# Altium PCB TK2560_PCB.PcbDoc (part 3 of 3)
Units mm, origin at the board's own origin, x right, y up, seen from the top; angles counter-clockwise.
Board outline 200 x 141.45 mm, 2 copper layers (L1, L2); 167 components, 176 nets, 683 pads, 232 vias.
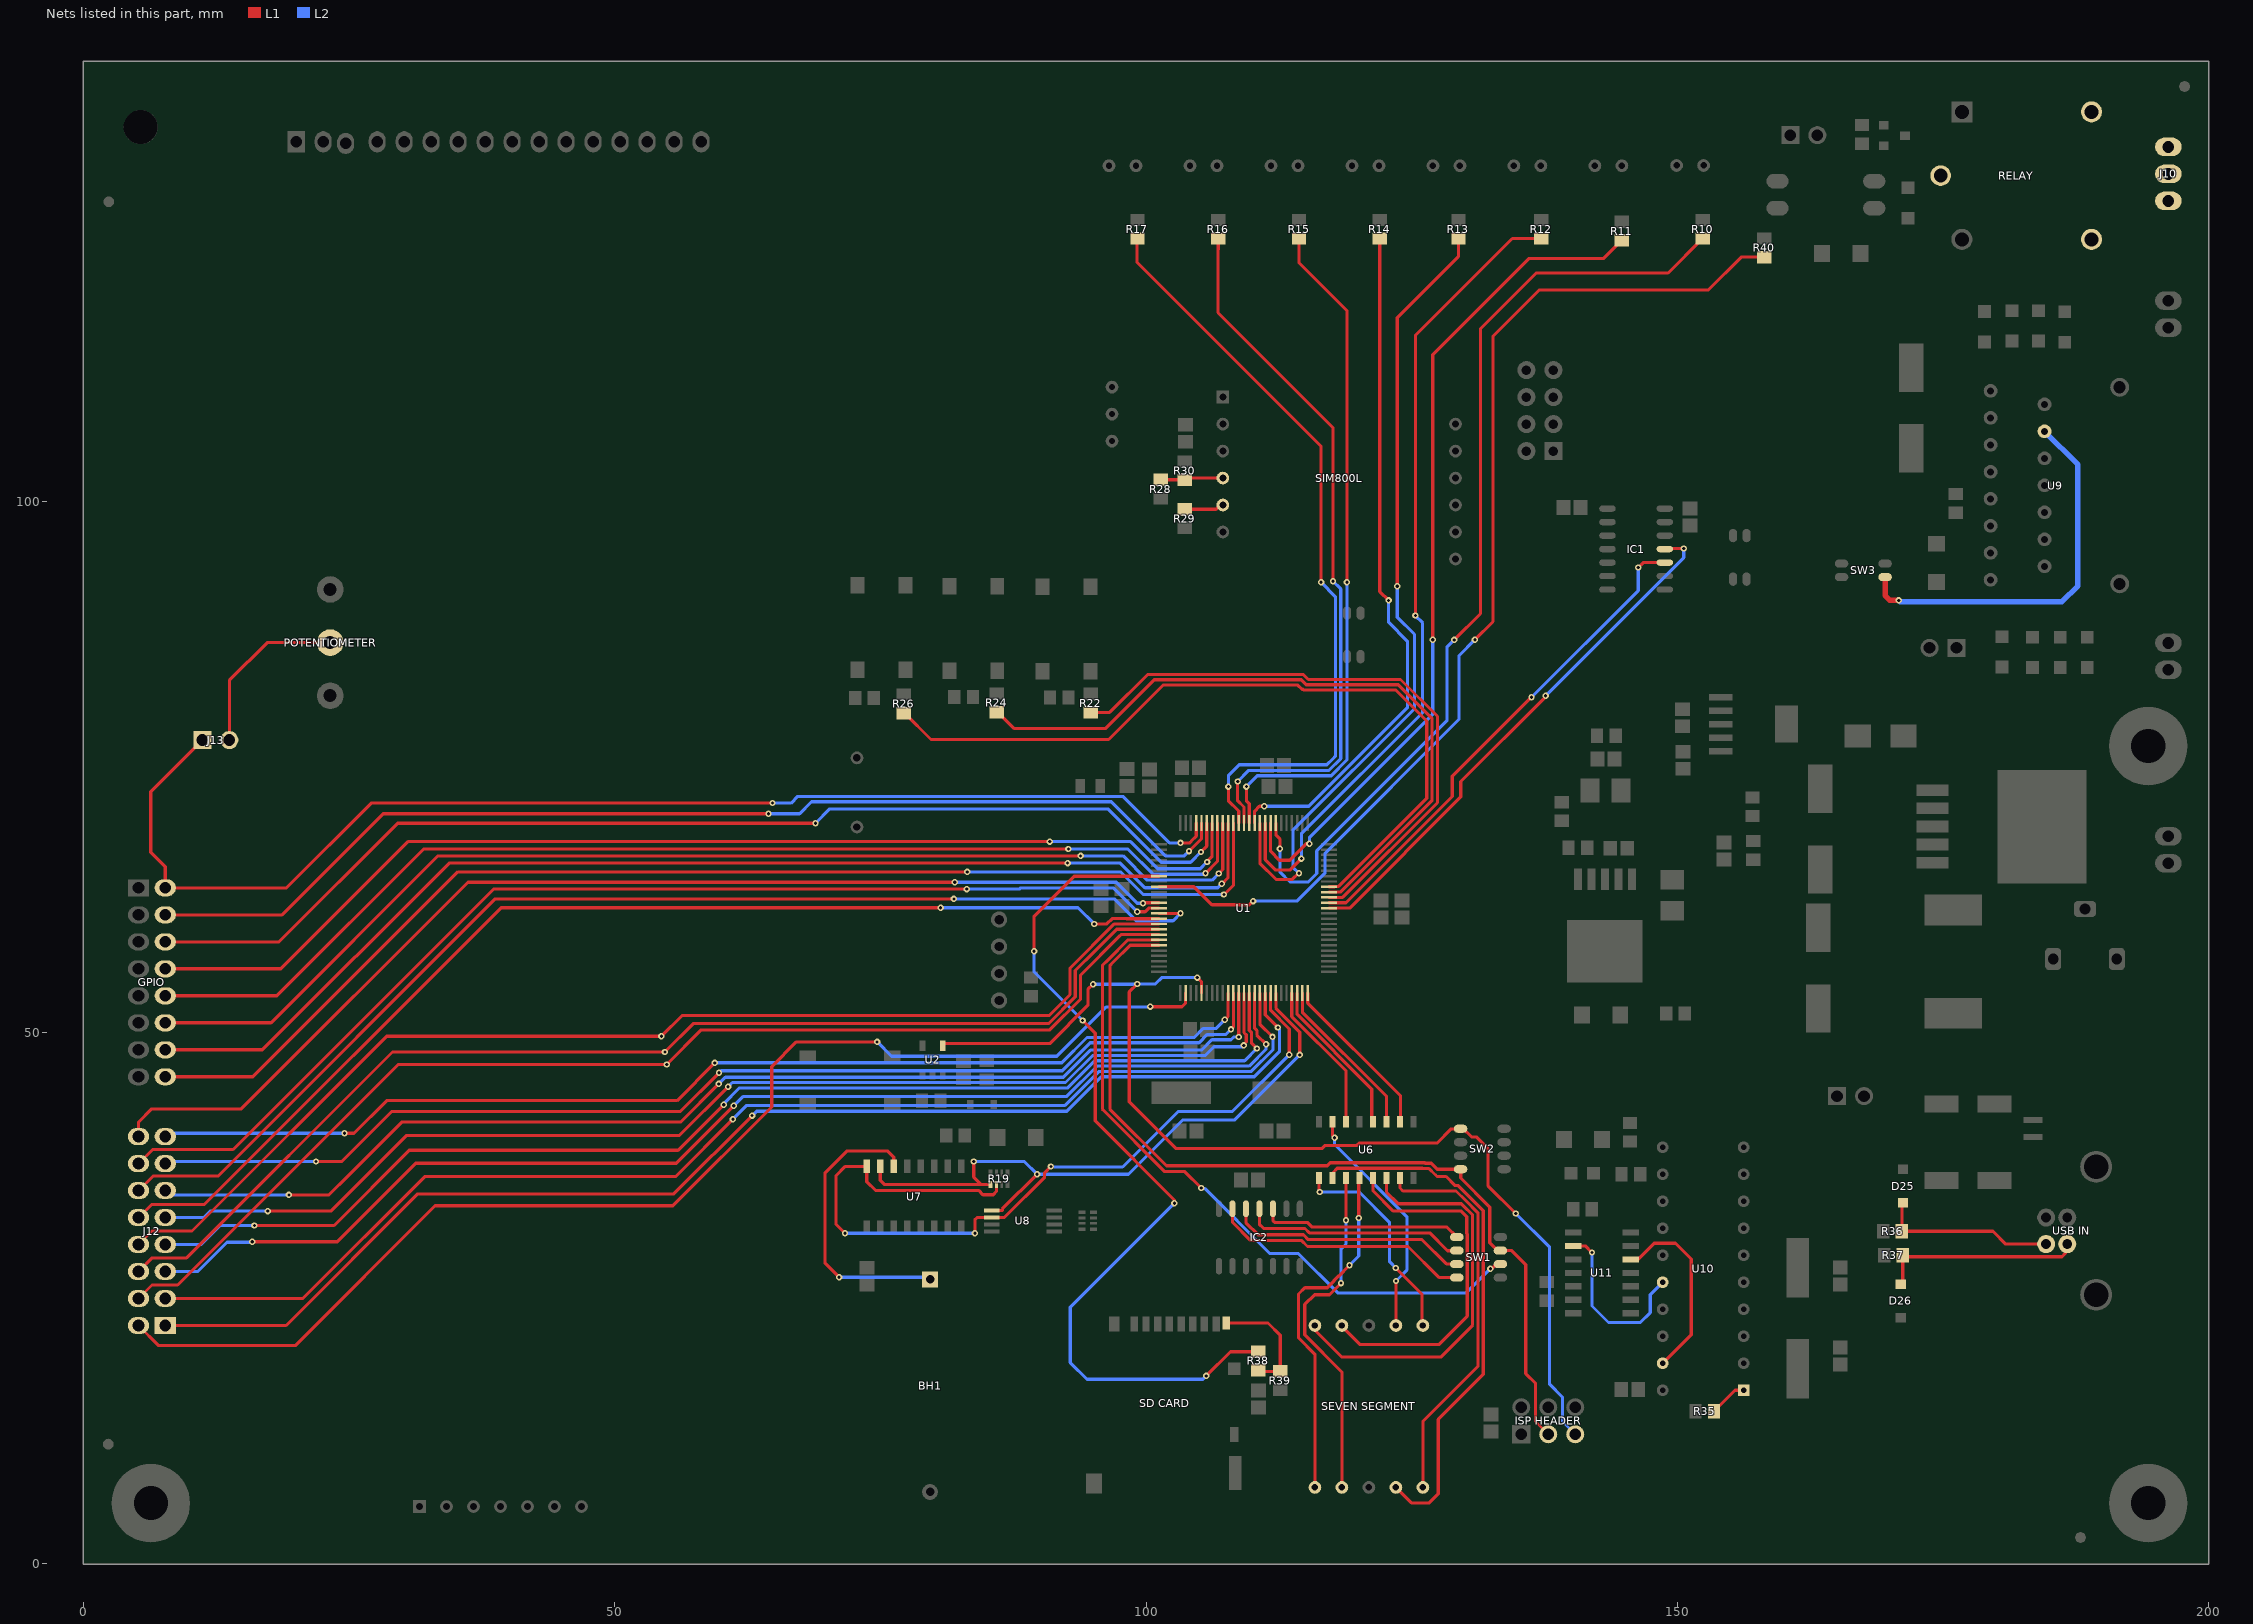
[diagram p3: the nets of this part, all layers, seen from the top]

## Via types
v1: diameter 0.6, hole 0.3, L1 to L2, 218 vias
v2: diameter 0.6, hole 0.3, L1 to L2, tented both sides, 14 vias

## Nets (pads, with @x,y where several pads share a name; then routed paths per layer and width w, separated by ;. In a path a pad name is that pad's centre, name@x,y a point inside that pad or via, vN(x,y) a via of type N, cw(c..) or ccw(c..) an arc to the next point about the centre after c; other vN are vias at no path point) (continued)
NetR35_1: R35.1 U10.1 | length 3.6
  L1 w0.3: R35.1@153.45,14.38 155.42,16.35 U10.1@156.235,16.35
NetR38_1: "SD CARD.9" R38.1 R39.1 | length 11
  L1 w0.3: 107.55,22.67 111.48,22.67 112.625,21.525 R39.1@112.625,18.125 110.675,18.125 R38.1@110.575,18.225
"NetSEVEN SEGMENT_1": "SEVEN SEGMENT.1" U6.4 | length 33.4
  L1 w0.3: 115.895,7.205 115.895,19.73 114.35,21.275 114.35,25.4 114.95,26 117.05,26 117.7,26.65 117.7,26.694 118.081,27.075 118.125,27.075 v1(119.15,28.1) ; v1(120.025,32.55) 120.025,36.27 U6.4@120.09,36.335
  L2 w0.3: v1(119.15,28.1) 120.025,28.975 v1(120.025,32.55)
"NetSEVEN SEGMENT_2": "SEVEN SEGMENT.2" U6.3 | length 33.2
  L1 w0.3: v1(118.35,26.425) 117.263,25.338 115.862,25.338 114.945,24.42 114.945,21.55 118.435,18.06 118.435,7.205 ; U6.3@118.82,36.335 118.675,36.19 118.875,35.99 118.825,35.94 v1(118.825,32.35)
  L2 w0.3: v1(118.35,26.425) 118.338,26.437 118.338,29.613 118.825,30.1 v1(118.825,32.35)
"NetSEVEN SEGMENT_4": "SEVEN SEGMENT.4" U6.2 | length 49.8
  L1 w0.3: U6.2@117.55,36.335 117.55,36.79 118.005,37.245 126.022,37.245 126.067,37.2 126.643,37.2 127.198,36.645 127.199,36.645 127.385,36.46 128.24,36.46 129.1,35.6 129.382,35.6 131.735,33.247 131.735,17.835 127.5,13.6 127.5,6.6 126.65,5.75 124.97,5.75 123.515,7.205
"NetSEVEN SEGMENT_5": "SEVEN SEGMENT.5" U6.7 | length 37.2
  L1 w0.3: U6.7@123.9,36.335 123.9,35.375 124.175,35.1 129.175,35.1 130.075,34.2 131.235,33.04 131.235,18.585 126.055,13.405 126.055,7.205
"NetSEVEN SEGMENT_6": "SEVEN SEGMENT.6" U6.1 | length 20.1
  L1 w0.3: U6.1@116.28,36.335 116.28,35.07 v1(116.35,35) ; v1(123.5,27.85) 125.975,25.375 125.975,22.525 126.055,22.445
  L2 w0.3: v1(116.35,35) 120.05,35 122.925,32.125 122.925,28.425 v1(123.5,27.85)
"NetSEVEN SEGMENT_7": "SEVEN SEGMENT.7" U6.15 | length 24
  L1 w0.3: U6.15@117.55,41.615 117.55,40.3 v1(117.75,40.1) ; v1(123.525,26.625) 123.525,23.9 ; 123.525,23.9 123.515,23.89 123.515,22.445 123.525,22.455 123.525,23.9
  L2 w0.3: v1(117.75,40.1) 117.75,39.475 124.55,32.675 124.55,27.65 v1(123.525,26.625)
"NetSEVEN SEGMENT_9": "SEVEN SEGMENT.9" U6.5 | length 34.1
  L1 w0.3: 118.435,22.445 118.435,22.365 120.163,20.637 127.547,20.637 130.235,23.325 130.235,31.057 130.175,31.117 130.175,32.686 129.661,33.2 123.275,33.2 121.36,35.115 U6.5@121.36,36.335
"NetSEVEN SEGMENT_10": "SEVEN SEGMENT.10" U6.6 | length 38.3
  L1 w0.3: 115.895,22.445 115.895,22.017 118.444,19.469 127.729,19.469 130.735,22.475 130.735,32.833 129.868,33.7 129.668,33.9 123.725,33.9 122.63,34.995 U6.6@122.63,36.335
NetSW3_3: SW3.3 U9.4 | length 36.6
  L1 w0.5: SW3.3@169.55,92.865 169.55,91.125 170,90.675 v1(170.825,90.675)
  L2 w0.5: v1(170.825,90.675) 170.95,90.55 186.2,90.55 187.681,92.031 187.681,103.456 U9.4@184.556,106.58
PORTF.PF0: GPIO.16 J13.1 U1.97 | length 120.4
  L1 w0.3: J13.1@11.205,77.525 6.35,72.67 6.35,66.975 7.715,65.61 GPIO.16@7.715,63.62 19.12,63.62 27.1,71.6 v1(64.85,71.6) ; v1(103.25,67.85) 104.118,67.85 104.284,68.016 104.284,68.059 104.72,68.495 U1.97@104.72,69.72
  L2 w0.3: v1(64.85,71.6) 66.6,71.6 67.225,72.225 97.825,72.225 102.2,67.85 v1(103.25,67.85)
PORTF.PF1: GPIO.15 U1.96 | length 106.2
  L1 w0.3: GPIO.15@7.715,61.08 18.705,61.08 28.225,70.6 v1(64.475,70.6) ; v1(104.05,67.075) 105.22,68.245 U1.96@105.22,69.72
  L2 w0.3: v1(64.475,70.6) 67.4,70.6 68.525,71.725 96.725,71.725 101.825,66.625 103.6,66.625 v1(104.05,67.075)
PORTF.PF2: GPIO.14 U1.95 | length 108.1
  L1 w0.3: GPIO.14@7.715,58.54 18.415,58.54 29.575,69.7 v1(68.9,69.7) ; v1(105.175,67) 105.72,67.545 U1.95@105.72,69.72
  L2 w0.3: v1(68.9,69.7) 70.25,71.05 96.4,71.05 101.425,66.025 104.2,66.025 v1(105.175,67)
PORTF.PF3: GPIO.13 U1.94 | length 108.2
  L1 w0.3: GPIO.13@7.715,56 18.575,56 30.55,67.975 v1(90.95,67.975) ; v1(105.75,66.05) 105.75,66.131 106.22,66.601 U1.94@106.22,69.72
  L2 w0.3: v1(90.95,67.975) 98.55,67.975 101.1,65.425 105.106,65.425 105.731,66.05 v1(105.75,66.05)
PORTF.PF4: GPIO.12 U1.93 | length 109.8
  L1 w0.3: GPIO.12@7.715,53.46 18.21,53.46 32.025,67.275 v1(92.7,67.275) ; v1(105.6,65) 105.619,65 106.72,66.101 U1.93@106.72,69.72
  L2 w0.3: v1(92.7,67.275) 98.3,67.275 100.675,64.9 105.5,64.9 v1(105.6,65)
PORTF.PF5: GPIO.11 U1.92 | length 111.7
  L1 w0.3: GPIO.11@7.715,50.92 17.67,50.92 33.375,66.625 v1(93.85,66.625) ; v1(106.85,64.975) 107.22,65.345 U1.92@107.22,69.72
  L2 w0.3: v1(93.85,66.625) 97.85,66.625 100.125,64.35 106.225,64.35 v1(106.85,64.975)
PORTF.PF6: GPIO.10 U1.91 | length 113.8
  L1 w0.3: GPIO.10@7.715,48.38 16.855,48.38 34.425,65.95 v1(92.625,65.95) ; v1(107.125,64) 107.125,63.975 107.72,64.57 U1.91@107.72,69.72
  L2 w0.3: v1(92.625,65.95) 97.575,65.95 99.9,63.625 106.75,63.625 v1(107.125,64)
PORTF.PF7: GPIO.9 U1.90 | length 115.6
  L1 w0.3: GPIO.9@7.715,45.84 15.965,45.84 35.25,65.125 v1(83.175,65.125) ; v1(107.325,63) 107.375,63 108.22,63.845 U1.90@108.22,69.72
  L2 w0.3: v1(83.175,65.125) 97.6,65.125 99.725,63 v1(107.325,63)
PORTH.PH0: J12.9 U1.12 | length 107.6
  L1 w0.3: J12.9@5.2,40.22 5.2,41.575 6.45,42.825 14.875,42.825 36.2,64.15 v1(82,64.15) ; v1(99.715,62.174) 99.761,62.22 U1.12@101.22,62.22
  L2 w0.3: v1(82,64.15) 97.2,64.15 99.176,62.174 v1(99.715,62.174)
PORTH.PH1: J12.10 U1.13 | length 107.8
  L1 w0.3: J12.10@5.2,37.68 6.52,39 14.1,39 38.6,63.5 v1(83.125,63.5) ; v1(99.175,61.375) 99.919,61.375 100.264,61.72 U1.13@101.22,61.72
  L2 w0.3: v1(83.125,63.5) 88.075,63.5 88.175,63.6 96.95,63.6 v1(99.175,61.375)
PORTH.PH2: J12.11 U1.14 | length 112.6
  L1 w0.3: J12.11@5.2,35.14 6.56,36.5 12.675,36.5 38.758,62.583 v1(81.925,62.583) ; U1.14@101.22,61.22 103.245,61.22 v1(103.25,61.225)
  L2 w0.3: v1(81.925,62.583) 97.017,62.583 99.075,60.525 102.55,60.525 v1(103.25,61.225)
PORTH.PH3: J12.12 U1.15 | length 108.9
  L1 w0.3: J12.12@5.2,32.6 6.425,33.825 11.4,33.825 39.325,61.75 v1(80.675,61.75) ; v1(95.125,60.225) 96.317,60.225 96.817,60.725 98.183,60.725 98.188,60.72 U1.15@101.22,60.72
  L2 w0.3: v1(80.675,61.75) 85.712,61.75 85.714,61.752 86.636,61.752 86.638,61.75 93.6,61.75 v1(95.125,60.225)
PORTH.PH4: J12.13 U1.16 | length 110
  L1 w0.3: J12.13@5.2,30.06 6.47,31.33 10.23,31.33 28.55,49.65 v1(54.4,49.65) 56.363,51.613 90.887,51.613 92.85,53.575 92.85,56.051 97.024,60.225 97.976,60.225 97.981,60.22 U1.16@101.22,60.22
PORTH.PH5: J12.14 U1.17 | length 110.8
  L1 w0.3: J12.14@5.2,27.52 6.48,28.8 9.725,28.8 29.1,48.175 v1(54.725,48.175) 57.396,50.846 90.829,50.846 93.35,53.368 93.35,55.844 95.225,57.719 97.231,59.725 97.769,59.725 97.774,59.72 U1.17@101.22,59.72
PORTH.PH6: J12.15 U1.18 | length 111.5
  L1 w0.3: J12.15@5.2,24.98 6.47,26.25 8.875,26.25 29.625,47 v1(54.9,47) 58.155,50.255 90.945,50.255 93.85,53.161 93.85,55.425 97.5,59.075 97.645,59.22 U1.18@101.22,59.22
PORTH.PH7: J12.16 U1.27 | length 117
  L1 w0.3: J12.16@5.2,22.44 7.09,20.55 19.95,20.55 33.1,33.7 55.475,33.7 64.775,43 64.775,46.8 67.1,49.125 v1(74.7,49.125) ; v1(100.4,52.45) 100.415,52.435 103.385,52.435 103.72,52.77 U1.27@103.72,53.72
  L2 w0.3: v1(74.7,49.125) 76.05,47.775 91.6,47.775 96.229,52.404 100.354,52.404 v1(100.4,52.45)
PORTL.PL0: J12.8 U1.35 | length 106.9
  L1 w0.3: v1(24.575,40.525) 25.475,40.525 28.55,43.6 55.875,43.6 v1(59.425,47.15) ; v1(107.417,51.206) 107.72,51.51 U1.35@107.72,53.72
  L2 w0.3: J12.8@7.714,40.22 8.019,40.525 v1(24.575,40.525) ; v1(59.425,47.15) 59.417,47.158 92.066,47.158 94.45,49.542 104.542,49.542 105.4,50.4 106.61,50.4 v1(107.417,51.206)
PORTL.PL1: J12.7 U1.36 | length 109
  L1 w0.3: v1(21.9,37.875) 24.325,37.875 25.45,39 29.025,42.575 56.175,42.575 v1(59.825,46.225) ; v1(108,50.3) 108.22,50.52 U1.36@108.22,53.72
  L2 w0.3: J12.7@7.714,37.68 7.909,37.875 13.725,37.875 v1(21.9,37.875) ; v1(59.825,46.225) 60.008,46.408 92.116,46.408 94.75,49.042 104.992,49.042 105.777,49.827 107.527,49.827 v1(108,50.3)
PORTL.PL2: J12.6 U1.37 | length 111.5
  L1 w0.3: v1(19.35,34.725) 23.125,34.725 24.975,36.575 29.975,41.575 56.2,41.575 v1(59.8,45.175) ; v1(108.72,49.585) U1.37@108.72,53.72
  L2 w0.3: J12.6@7.714,35.14 8.129,34.725 v1(19.35,34.725) ; v1(59.8,45.175) 60.426,45.801 92.217,45.801 94.766,48.35 105.223,48.35 106.2,49.327 107.999,49.327 108.257,49.585 v1(108.72,49.585)
PORTL.PL3: J12.5 U1.38 | length 113.3
  L1 w0.3: v1(17.35,33.2) 23.3,33.2 30.425,40.325 56.1,40.325 v1(60.679,44.904) ; v1(109.2,48.8) 109.2,48.881 109.432,49.114 109.432,49.792 109.22,50.004 U1.38@109.22,53.72
  L2 w0.3: J12.5@7.714,32.6 11.325,32.6 11.925,33.2 v1(17.35,33.2) ; v1(60.679,44.904) 61.076,45.301 92.424,45.301 94.973,47.85 105.573,47.85 106.4,48.677 109.077,48.677 v1(109.2,48.8)
PORTL.PL4: J12.4 U1.39 | length 116
  L1 w0.3: v1(16.1,31.85) 23.6,31.85 30.675,38.925 55.976,38.925 v1(60.263,43.212) ; U1.39@109.72,53.72 109.72,50.211 109.932,49.999 109.932,49 v1(110.43,48.502)
  L2 w0.3: J12.4@7.714,30.06 11.1,30.06 12.89,31.85 v1(16.1,31.85) ; v1(60.263,43.212) 60.212,43.262 61.751,44.801 92.631,44.801 95.18,47.35 109.278,47.35 v1(110.43,48.502)
PORTL.PL5: J12.3 U1.40 | length 118
  L1 w0.3: v1(15.9,30.325) 23.9,30.325 31.275,37.7 55.8,37.7 v1(61.212,43.112) ; U1.40@110.22,53.72 110.22,50.418 110.432,50.206 110.432,49.768 v1(111.3,48.9)
  L2 w0.3: J12.3@7.714,27.52 10.77,27.52 13.525,30.275 v1@15.9,30.275 ; v1(61.212,43.112) 62.073,43.973 92.51,43.973 95.387,46.85 109.697,46.85 111.3,48.453 v1(111.3,48.9)
PORTL.PL6: J12.2 U1.41 | length 119.8
  L1 w0.3: J12.2@7.714,24.98 20.655,24.98 32.125,36.45 55.725,36.45 v1(61.125,41.85) ; U1.41@110.72,53.72 110.72,50.78 v1(111.9,49.6)
  L2 w0.3: v1(61.125,41.85) 62.421,43.146 92.389,43.146 95.594,46.35 109.904,46.35 111.95,48.396 111.95,49.55 v1(111.9,49.6)
PORTL.PL7: J12.1 U1.42 | length 121.6
  L1 w0.3: J12.1@7.714,22.44 19.09,22.44 31.475,34.825 55.575,34.825 v1(62.938,42.188) ; U1.42@111.22,53.72 111.22,51.676 v1(112.41,50.485)
  L2 w0.3: v1(62.938,42.188) 63.358,42.608 92.559,42.608 95.801,45.85 110.2,45.85 112.55,48.2 112.55,50.346 v1(112.41,50.485)
POTENTIOMETER: J13.2 POTENTIOMETER.2 | length 16.6
  L1 w0.3: J13.2@13.745,77.525 13.745,83.145 17.3,86.7 POTENTIOMETER.2@23.237,86.7
RELAY1_TRIG: R40.2 U1.9 | length 103.2
  L1 w0.3: U1.9@101.22,63.72 104.505,63.72 106.2,62.025 109.725,62.025 v1(110.075,62.375) ; v1(130.95,86.975) 132.65,88.675 132.65,115.525 137,119.875 152.9,119.875 155.994,122.969 R40.2@158.172,122.969
  L2 w0.3: v1(110.075,62.375) 114.182,62.375 116.85,65.043 116.85,66.875 129.45,79.475 129.45,85.475 v1(130.95,86.975)
RESET: "ISP HEADER.5" SW2.1 U1.30 U2.4 | length 107.9
  L1 w0.3: U2.4@80.875,48.775 81.062,48.962 90.937,48.962 94.537,52.562 94.537,54.063 v1(95.025,54.55) ; v1(99.175,54.575) 98.429,53.829 98.429,43.479 102.807,39.1 116.577,39.1 116.864,39.388 119.838,39.388 120.05,39.6 127.385,39.6 128.725,40.94 129.585,40.94 SW2.1@129.6,40.955 129.855,40.955 130.625,40.185 131.09,40.185 132.175,39.1 132.175,35.6 v1(134.8,32.975) ; v1(104.825,55.175) 105.22,54.78 U1.30@105.22,53.72
  L2 w0.3: v1(95.025,54.55) 99.15,54.55 v1(99.175,54.575) 100.875,54.575 101.475,55.175 v1(104.825,55.175) ; v1(134.8,32.975) 137.975,29.8 137.975,16.9 139.19,15.685 139.19,13.405 140.39,12.205
RLY_COM: J10.2 RELAY.COM | length 0.2
  L1 w0.5: RELAY.COM@174.772,130.644 RELAY.COM@174.85,130.722 ; J10.2@196.122,130.722 J10.2@196.2,130.8
RLY_NC: J10.1 RELAY.NC
RLY_NO: J10.3 RELAY.NO
RST': U10.16 U11.2 | length 17
  L1 w0.3: U11.2@140.2,29.925 141.35,29.925 v1(141.971,29.304)
  L2 w0.3: v1(141.971,29.304) 141.971,24.279 143.525,22.725 146.525,22.725 147.45,23.65 147.45,25.345 U10.16@148.615,26.51 U10.16@148.715,26.41
RTC_SCL: R19.2 U1.43 U7.16 U8.6 | length 79.9
  L1 w0.3: v1(71.675,31.125) 70.825,31.975 70.825,36.525 71.71,37.41 U7.16@73.73,37.41 73.73,35.97 74.55,35.15 84.25,35.15 84.65,34.75 85.625,34.75 85.925,35.05 R19.2@85.925,35.7 ; v1(83.9,31.125) 83.9,32.4 84.102,32.603 U8.6@85.475,32.603 86.677,32.603 90.462,36.387 90.462,36.812 v1(91.05,37.4) ; U1.43@111.72,53.72 111.72,52.095 113.475,50.34 v1(113.475,47.925)
  L2 w0.3: v1(71.675,31.125) 71.675,31.15 71.7,31.125 v1(83.9,31.125) ; 91.4,37.35 97.8,37.35 103.025,42.575 108.125,42.575 v1(113.475,47.925)
RTC_SDA: R19.1 U1.44 U7.15 U8.5 | length 62.7
  L1 w0.3: U7.15@75,37.41 75,36.1 75.4,35.7 84.5,35.7 ; v1(83.8,37.875) 83.8,36.4 84.5,35.7 ; R19.1@85.375,35.7 84.5,35.7 ; U8.5@85.475,33.258 86.482,33.258 86.482,33.407 v1(89.75,36.675) ; U1.44@112.22,53.72 112.22,52.302 114.475,50.047 v1(114.475,47.9)
  L2 w0.3: v1(83.8,37.875) 88.55,37.875 v1(89.75,36.675) 98.35,36.675 103.454,41.779 103.684,41.779 103.693,41.787 108.362,41.787 v1(114.475,47.9)
RTC_VBAT: BH1.2 U7.14 | length 27.4
  L1 w0.3: v1(71.125,26.975) 69.8,28.3 69.8,36.825 71.825,38.85 75.7,38.85 76.27,38.28 U7.14@76.27,37.41
  L2 w0.3: v1(71.125,26.975) 79.475,26.975 BH1.2@79.675,26.775
SCK: "ISP HEADER.3" SW1.3 SW2.4 U1.20 | length 83.4
  L1 w0.3: U1.20@101.22,58.22 98.509,58.22 96.894,56.606 96.894,56.602 96.599,56.306 96.599,42.801 101.925,37.475 117.073,37.475 117.343,37.745 126.229,37.745 126.274,37.7 126.85,37.7 127.405,37.145 SW2.4@129.6,37.145 129.61,37.135 129.61,36.315 132.35,33.575 132.35,30.23 133.095,29.485 SW1.3@133.35,29.485 ; SW1.3@133.6,29.505 134.385,29.505 135.738,28.152 135.738,17.912 136.65,17 136.65,13.405 137.85,12.205
SCK': U10.19 U11.12 | length 17.9
  L1 w0.3: U11.12@145.6,28.655 146.305,28.655 147.825,30.175 149.825,30.175 151.3,28.7 151.3,21.575 U10.19@148.615,18.89
SD_SPI.SD_DET: R38.2 U1.7 | length 84.3
  L1 w0.3: v1(89.475,57.65) 89.475,60.945 93.25,64.72 U1.7@101.22,64.72 ; v1(94.035,51.14) 95.225,49.95 95.225,41.7 102.675,34.25 v1(102.675,33.95) ; v1(105.675,17.7) 107.95,19.975 R38.2@110.575,19.975
  L2 w0.3: v1(89.475,57.65) 89.475,55.7 v1(94.035,51.14) ; v1(102.675,33.95) 92.875,24.15 92.875,18.95 94.45,17.375 105.35,17.375 v1(105.675,17.7)
SD_SPI.SD_MISO: IC2.13 SW1.8 | length 24.8
  L1 w0.3: IC2.13@108.135,33.425 108.135,32.14 109.825,30.45 114.625,30.45 115.2,29.875 124.65,29.875 127.56,26.965 SW1.8@129.5,26.965
SD_SPI.SD_MOSI: IC2.10 SW1.5 | length 19.3
  L1 w0.3: IC2.10@111.945,33.425 111.945,32.314 112.117,32.142 115.183,32.142 115.625,31.7 128.32,31.7 129.245,30.775 SW1.5@129.5,30.775
SD_SPI.SD_SCK: IC2.11 SW1.6 | length 21.3
  L1 w0.3: IC2.11@110.675,33.425 110.675,31.975 111.087,31.562 114.963,31.562 115.375,31.15 126.7,31.15 128.375,29.475 129.47,29.475 SW1.6@129.5,29.505
SD_SPI.SD_SS: IC2.12 SW1.7 | length 23
  L1 w0.3: IC2.12@109.405,33.425 109.405,32.12 110.55,30.975 114.825,30.975 115.275,30.525 125.975,30.525 128.265,28.235 SW1.7@129.5,28.235
SHIFT_REG.SH_CP: U1.49 U6.11 | length 15.4
  L1 w0.3: U1.49@114.72,53.72 114.72,51.924 122.63,44.014 U6.11@122.63,41.615
SHIFT_REG.SHIFT_DS: U1.47 U6.14 | length 14.2
  L1 w0.3: U1.47@113.72,53.72 113.72,51.509 118.82,46.409 U6.14@118.82,41.615
SHIFT_REG.SHIFT_RST: U1.50 U6.10 | length 15.7
  L1 w0.3: U1.50@115.22,53.72 115.22,52.775 123.945,44.05 123.95,44.05 123.95,41.665 U6.10@123.9,41.615
SHIFT_REG.ST_CP: U1.48 U6.12 | length 15.1
  L1 w0.3: U1.48@114.22,53.72 114.22,51.717 121.25,44.687 121.25,41.725 U6.12@121.36,41.615
SIM_RX: R28.2 R30.2 SIM800L.4 | length 5.9
  L1 w0.3: R28.2@101.4,102.025 103.625,102.025 R30.2@103.65,102 103.83,102.18 SIM800L.4@107.23,102.18
SIM_TX: R29.2 SIM800L.5 | length 3.7
  L1 w0.3: R29.2@103.65,99.25 106.596,99.25 106.986,99.64 SIM800L.5@107.23,99.64
SS: SW1.2 U1.19 | length 65.6
  L1 w0.3: U1.19@101.22,58.72 98.302,58.72 96.394,56.813 96.394,56.809 95.9,56.314 95.9,42.8 96.099,42.601 96.099,42.594 101.768,36.925 103.65,36.925 v1(105.2,35.375) ; v1(132.406,27.776) 132.532,27.776 132.971,28.215 SW1.2@133.35,28.215
  L2 w0.3: v1(105.2,35.375) 105.257,35.318 105.557,35.318 105.557,35.293 111.637,29.213 114.325,29.213 118.031,25.506 130.136,25.506 v1(132.406,27.776)
U_BTN1: R22.2 U1.65 | length 57.7
  L1 w0.3: R22.2@94.815,80.13 96.58,80.13 100.15,83.7 114.807,83.7 115.279,83.229 123.946,83.229 127.425,79.75 127.425,71.641 118.504,62.72 U1.65@117.22,62.72
U_BTN2: R24.2 U1.66 | length 66
  L1 w0.3: R24.2@85.94,80.155 86.04,80.155 87.565,78.63 96.205,78.63 100.775,83.2 114.6,83.2 115.071,82.729 123.739,82.729 126.925,79.543 126.925,71.848 118.297,63.22 U1.66@117.22,63.22
U_BTN3: R26.2 U1.67 | length 73.7
  L1 w0.3: R26.2@77.19,80.055 77.29,80.055 79.765,77.58 96.48,77.58 101.6,82.7 114.289,82.7 114.707,82.282 ; 114.759,82.334 114.864,82.229 123.521,82.229 126.425,79.325 126.425,72.055 118.125,63.755 117.785,63.755 117.75,63.72 U1.67@117.22,63.72
USB_D+: "USB IN.3" D26.2 R37.1 | length 18.4
  L1 w0.3: D26.2@171.025,26.325 171.212,26.512 R37.1@171.212,28.9 ; R37.1@171.025,28.9 R37.1@171.212,28.9 ; R37.1@171.212,29.063 R37.1@171.212,28.9 ; 186.514,29.223 186.192,28.9 R37.1@171.212,28.9
USB_D-: "USB IN.2" D25.2 R36.1 | length 16.8
  L1 w0.3: D25.2@171.25,33.975 171.125,33.85 R36.1@171.125,31.3 179.7,31.3 180.9,30.1 184.7,30.1
USER_LEDS.U_LED0: R17.2 U1.89 | length 72.2
  L1 w0.3: R17.2@99.2,124.725 99.15,124.675 99.15,122.475 116.475,105.15 v1(116.475,92.375) ; v1(107.75,73.15) 107.75,71.825 108.72,70.855 U1.89@108.72,69.72
  L2 w0.3: v1(107.75,73.15) 107.75,74.175 108.775,75.2 117.025,75.2 117.62,75.795 117.63,75.795 117.825,75.989 117.825,91.025 v1(116.475,92.375)
USER_LEDS.U_LED1: R16.2 U1.88 | length 69.5
  L1 w0.3: 106.8,123.713 R16.2@106.8,124.725 106.775,124.7 106.775,117.75 117.6,106.925 v1(117.6,92.475) ; v1(108.625,73.625) 108.6,73.6 108.6,71.85 109.22,71.23 U1.88@109.22,69.72
  L2 w0.3: v1(108.625,73.625) 109.675,74.675 117.218,74.675 118.325,75.782 118.325,91.75 v1(117.6,92.475)
USER_LEDS.U_LED2: R15.2 U1.87 | length 65
  L1 w0.3: v1(109.45,73.15) 109.45,71.82 109.72,71.55 U1.87@109.72,69.72 ; R15.2@114.4,124.725 114.4,122.45 118.9,117.95 v1(118.9,92.375)
  L2 w0.3: v1(109.45,73.15) 110.475,74.175 117.425,74.175 118.9,75.65 v1(118.9,92.375)
USER_LEDS.U_LED3: R14.2 U1.86 | length 64.8
  L1 w0.3: U1.86@110.22,69.72 110.22,70.845 110.675,71.3 v1(111.125,71.3) ; R14.2@122,124.725 122,91.5 v1(122.825,90.675)
  L2 w0.3: v1(111.125,71.3) 115.325,71.3 124.6,80.575 124.6,86.825 122.825,88.6 v1(122.825,90.675)
USER_LEDS.U_LED4: R13.2 U1.85 | length 76
  L1 w0.3: U1.85@110.72,69.72 110.72,65.925 112.232,64.413 113.763,64.413 v1@114.3,64.95 ; v1(123.65,92) 123.65,117.275 129.4,123.025 R13.2@129.4,124.725
  L2 w0.3: v1(114.4,65) 113.825,65.575 113.825,69.05 125.262,80.487 125.262,87.475 123.65,89.087 v1(123.65,92)
USER_LEDS.U_LED5: R12.2 U1.84 | length 77.5
  L1 w0.3: U1.84@111.22,69.72 111.22,66.275 112.207,65.287 113.537,65.287 v1@114.544,66.294 ; v1(125.35,89.25) 125.35,115.6 134.475,124.725 R12.2@137.2,124.725 R12.2@137.15,124.675
  L2 w0.3: v1(114.625,66.375) 114.625,68.725 126.025,80.125 126.025,88.55 125.35,89.225 v1(125.35,89.25)
USER_LEDS.U_LED6: R11.2 U1.83 | length 80.4
  L1 w0.3: U1.83@111.72,69.72 111.72,67.055 112.55,66.225 113.525,66.225 115.075,67.775 v1(115.375,67.775) ; v1(126.987,86.975) 126.987,113.787 136.05,122.85 143.075,122.85 R11.2@144.775,124.55
  L2 w0.3: v1(115.375,67.775) 115.375,68.35 126.987,79.962 v1(126.987,86.975)
USER_LEDS.U_LED7: R10.2 U1.82 | length 91.1
  L1 w0.3: U1.82@112.22,69.72 112.22,68.605 112.6,68.225 v1(112.6,67.3) ; v1(129,86.95) 131.475,89.425 131.475,116.225 136.725,121.475 149.125,121.475 R10.2@152.3,124.65 ; R10.2@152.35,124.6 R10.2@152.3,124.65 ; R10.2@152.375,124.725 R10.2@152.3,124.65
  L2 w0.3: v1(112.6,67.3) 112.6,65.125 113.55,64.175 115.275,64.175 116.075,64.975 116.075,67.1 128.312,79.337 128.312,86.262 v1(129,86.95)
WIFI_RX: IC1.10 U1.64 | length 47.3
  L1 w0.3: U1.64@117.22,62.22 118.82,62.22 128.813,72.212 128.813,74.125 136.237,81.55 v1(136.275,81.55) ; v1(146.315,93.765) 146.78,94.23 IC1.10@148.82,94.23
  L2 w0.3: v1(136.275,81.55) 146.315,91.59 v1(146.315,93.765)
WIFI_TX: IC1.11 U1.63 | length 50.6
  L1 w0.3: U1.63@117.22,61.72 119.17,61.72 129.625,72.175 129.625,73.625 137.6,81.6 v1(137.6,81.7) ; IC1.11@148.82,95.5 148.87,95.55 v1(150.6,95.55)
  L2 w0.3: v1(137.6,81.7) 150.6,94.7 v1(150.6,95.55)
pads on no net: "SD CARD.1" "SD CARD.8" DHT11.3 ESP1.2 ESP1.3 ESP1.7 FID1.1 FID2.1 FID3.1 FID4.1 IC1.2 IC1.3 IC1.6 IC1.9 IC1.12 IC1.13 IC2.6 IC2.9 MH4.1 R20.1 SIM800L.1 SIM800L.3 SIM800L.7 SIM800L.8 SIM800L.9 SIM800L.10 SIM800L.11 SIM800L.12 U1.1 U1.4 U1.8 U1.28 U1.29 U1.45 U1.46 U1.51 U1.52 U1.60 U1.68 U1.69 U1.70 U1.79 U6.9 U7.4 U7.5 U7.6 U7.7 U7.8 U7.9 U7.10 U7.11 U7.12 U10.2 U10.3 U10.11 U10.13 U10.14 U10.15

## Polygon pours and split planes (outlines as drawn)
GND on L2 "GND_L02_P065" (solid, remove dead copper, pour order 65): 91.4,0.8 91.4,11.412 91.356,11.456 91.4,11.5 109.2,11.5 109.2,15.5 109.126,15.574 91.4,15.574 91.4,48.6 87.574,48.6 87.574,54.3 87.67,54.396 90.404,54.396 95,49.8 104.8,49.8 105.904,50.904 105.904,52.7 126.812,52.7 116.4,42.288 116.4,40.9 115.4,40.9 110.1,35.6 107,35.6 107,34.6 107.2,34.4 109.8,34.4 115.7,28.5 117.5,28.5 117.5,39.007 118.111,39.618 123.93,33.8 144.5,33.8 144.5,30.8 146.7,30.8 146.7,32.5 150.7,32.5 150.7,17.2 145.7,17.2 145.7,13.6 152.6,13.6 152.6,0.7 152.5,0.8
GND on L2 "GND_L02_P063" (solid, remove dead copper, pour order 63): 90.7,72.926 90.726,72.9 102.5,72.9 102.5,70.3 110,62.8 138.1,62.8 138.1,52.7 101.4,52.7 101.4,48.8 87.8,48.8 87.8,54.288 87.744,54.344 87.796,54.396 90.474,54.396 90.474,72.7
GND on L2 "GND_L02_P064" (solid, remove dead copper, pour order 64): 199.7,64.6 168.8,64.6 168.8,58.4 168.7,58.5 158.4,58.5 158.4,63.1 145.274,63.1 145.3,63.074 145.3,60.9 137.5,60.9 118.1,41.5 118.1,33.8 152.6,33.8 152.6,0.8 199.8,0.8 199.8,64.641
GND on L2 "GND_L02_P062" (solid, remove dead copper, pour order 62): 97.6,141.1 199.8,141.1 199.8,64.5 199.7,64.6 158.4,64.6 158.4,63.1 143.6,63.1 143.6,62.5 110.3,62.5 110.3,64.7 108.8,66.2 108.8,71.9 109.3,72.4 109.3,76.6 104,76.6 95.2,85.4 95.104,85.304 92.5,85.304 92.5,94.3 98.7,94.3 98.7,106.8 98.596,106.904 97.6,106.904
GND on L2 "GND_L02_P061" (solid, remove dead copper, pour order 61): 21.4,141.1 97.6,141.1 97.6,106.8 94.3,106.8 94.3,85.2 90.5,85.2 90.5,78.604 90.396,78.5 67.204,78.5 67.204,80.796 67,81 26.6,81 26.6,85.3 20.3,85.3 20.3,97.3 23.7,97.3 23.7,135.2 21.4,135.2
GND on L2 "GND_L02_P060" (solid, remove dead copper, pour order 60): 9.074,71.1 9.1,71.074 9.1,67.3 3.7,67.3 3.7,49.5 6.5,49.5 6.5,44.5 0.7,44.5 0.8,44.4 0.8,0.8 91.4,0.8 91.4,48.7 76.7,48.7 76.7,54.3 90.2,54.3 90.5,54.6 90.5,78.5 67.2,78.5 67.2,77.6 15.9,77.6 15.8,77.5 15.8,71.1
GND on L2 "GND_L02_P059" (solid, remove dead copper, pour order 59): 0.7,141.1 21.4,141.1 21.4,99.2 21.3,99.1 15.9,99.1 15.9,71.2 15.8,71.1 0.7,71.1
+5 on L2 "+5_L02_P010" (solid, remove dead copper, pour order 10): 21.6,135.1 23.6,135.1 23.6,97.4 20.2,97.4 20.2,85.2 26.4,85.2 26.4,80.7 67,80.7 67,77.8 16.1,77.8 16.1,99.049 21.6,99.049
+5 on L2 "+5_L02_P004" (solid, remove dead copper, pour order 4): 90.6,85.1 95,85.1 103.6,76.5 109.1,76.5 108.912,65.912 110.962,63.862 110.5,63.4 110,62.9 102.4,70.5 102.4,73.1 93.4,73.1 90.6,73.1
+3V3 on L2 "+3V3_L02_P017" (solid, remove dead copper, pour order 17): 115.8,28.6 110.45,33.95 116.7,40.2 116.7,42.3 147.6,73.2 150.4,73.2 150.4,71.8 147.4,71.8 117.4,41.8 117.4,28.6
+3V3 on L2 "+3V3_L02_P019" (solid, remove dead copper, pour order 19): 120.4,23.5 121.6,23.5 121.6,6.3 120.4,6.3
+5 on L2 "+5_L02_P014" (solid, remove dead copper, pour order 14): 138.1,62.4 143.8,62.4 143.8,63 145.1,63 145.1,61 138.1,61
+3V3 on L2 "+3V3_L02_P018" (solid, remove dead copper, pour order 18): 116.55,30.675
+3V3 on L2 "+3V3_L02_P016" (solid, remove dead copper, pour order 16): 93.7,21.5 93.7,18.9 94.7,18 97.3,20.6 102.7,20.6 102.7,21.5
+5 on L2 "+5_L02_P015" (solid, remove dead copper, pour order 15): 107.1,35.5 107.1,34.7 111,34.7 116.45,40.15 115.7,40.9 110.3,35.5
+5 on L2 "+5_L02_P013" (solid, remove dead copper, pour order 13): 158.5,64.2 168.6,64.2 168.6,58.6 158.5,58.6
+5 on L2 "+5_L02_P012" (solid, remove dead copper, pour order 12): 92.6,106.7 98.6,106.7 98.6,94.4 92.6,94.4
+5 on L2 "+5_L02_P011" (solid, remove dead copper, pour order 11): 91.5,15.4 109,15.4 109,11.6 91.5,11.6
+5 on L2 "+5_L02_P009" (solid, remove dead copper, pour order 9): 136.3,15.7 136.3,13.8 133.2,13.8 133.2,8.2 131.2,8.2 131.2,15.7
+5 on L2 "+5_L02_P008" (solid, remove dead copper, pour order 8): 6.4,44.6 0.7,44.6 0.7,71 5.1,71 8.9,71 8.9,67.4 3.6,67.4 3.6,49.42 3.617,49.4 6.4,49.4
+5 on L2 "+5_L02_P007" (solid, remove dead copper, pour order 7): 78.4,48.8 87.4,48.8 87.4,54.2 76.8,54.2 76.8,48.8
+5 on L2 "+5_L02_P006" (solid, remove dead copper, pour order 6): 101.3,49.9 104.3,49.9 105.2,50.8 105.7,50.8 105.7,52.7 101.3,52.7
+5 on L2 "+5_L02_P005" (solid, remove dead copper, pour order 5): 144.8,33.4 152.3,33.4 152.3,13.7 145.8,13.7 145.8,17.1 150.8,17.1 150.8,32.6 146.6,32.6 146.6,30.9 144.8,30.9
GND on L1 "GND_L01_P053" (solid, remove dead copper, pour order 53): 147.1,42.3 169.8,42.3 169.8,44.5 178.1,44.5 178.1,34.5 180.6,34.5 183.6,31.5 185.7,31.5 185.7,46.5 157.3,46.5 157.3,62.7 160.1,62.7 160.1,55.7 188.3,55.7 194.3,61.7 194.2,61.8 194.2,67.1 199.8,67.1 199.8,0.8 152.7,0.8 152.6,0.9 152.6,17.3 147.1,17.3
GND on L1 "GND_L01_P051" (solid, remove dead copper, pour order 51): 0.7,141 0.7,96.4 146.8,96.4 146.8,117.3 164.3,117.3 164.3,141 89.3,141
GND on L1 "GND_L01_P052" (solid, remove dead copper, pour order 52): 105.1,0.7 105.1,98.3 152.9,98.3 152.9,99 157.8,99 157.8,95.8 151.7,95.8 151.7,92.1 150.4,90.8 146.1,90.8 146.1,71.7 144.4,71.7 144.4,66.5 143.9,66 143.9,61.8 147.8,61.8 148.5,62.5 151.9,62.5 151.9,59.4 151.8,59.3 151.7,59.3 151.7,17.5 145.7,17.5 145.6,17.4 145.6,10.4 130.8,10.4 130.8,8.1 127.2,4.5 114.3,4.5 111.9,6.9 111.9,15.5 107.2,15.5 107.2,11.4 109.6,11.4 109.6,0.7
GND on L1 "GND_L01_P058" (solid, remove dead copper, pour order 58): 0.7,96.4 65.3,96.4 66.9,98 67.6,97.3 71.2,97.3 71.2,85.9 65.1,85.9 65.1,77.7 70.1,77.7 70.1,83 74.4,83 74.4,93.2 79.9,93.2 79.9,83 83.1,83 83.1,93.2 88.8,93.2 88.8,83 92.6,83 92.6,93.2 95.3,93.2 95.3,96.4 95.4,96.5 105.3,96.5 105.3,65.2 108,62.5 105.5,60 105.5,35.796 105.783,35.513 105.783,34.717 105.8,34.7 103.2,34.7 103.2,31.4 96.2,31.4 96.2,39.3 82.1,39.3 82.1,41.3 87.8,41.3 87.8,51.8 87.7,51.9 90.9,51.9 91.7,52.7 91.6,52.8 91.6,61 94.5,63.9 94.5,74.8 89,74.8 89,62 90.1,60.9 90.1,54.3 84.7,54.3 84.7,52 81.7,52 79.7,50 77,50 77,48.4 77.9,48.4 78.9,47.4 81.7,47.4 81.7,46.5 86.4,46.5 86.4,44.7 84.2,42.5 81.2,42.5 79.2,40.5 79.2,38.4 84.9,38.4 84.9,36.3 87.5,36.3 89.8,38.6 93.1,38.6 93.5,38.2 93.5,33.6 94.6,33.6 94.6,31 89,31 89,31.6 84.6,31.6 84.6,30.5 75.7,30.5 75.7,32.4 74.3,32.4 74.3,30.8 72.7,30.8 72.7,27 75.3,27 75.4,26.9 75.4,28.4 88.7,28.4 88.7,14.1 94.8,14.1 94.9,14.2 94.9,24 96.3,25.4 105.7,25.4 105.7,1.2 105.2,0.7 105.1,0.8 0.9,0.8
+4V1 on L1 "+4V1_L01_P047" (solid, remove dead copper, pour order 47): 117.4,86.1 117.4,83.6 124.8,83.6 125.8,82.6 143.4,82.6 143.4,70.6 140.9,70.6 140.9,64.9 142.5,64.9 142.5,68.2 142.5,68.625 146.104,68.577 145.9,84.6 119.4,84.6 119.3,84.5 119.3,86.1
+5 on L1 "+5_L01_P049" (solid, remove dead copper, pour order 49): 161.5,137 161.5,131.7 166.1,126.9 166.1,126.6 166.1,93.7 157.7,93.7 156.9,94.5 152.9,94.5 152.9,87.1 155.3,84.7 155.3,79.8 148.3,79.8 148.3,66.8 146.4,66.8 146.4,90.5 150.4,90.5 152,92.1 152,95.6 158,95.6 158,99.3 152.4,99.3 152.4,98.6 147.8,98.6 147.7,98.7 147.7,116.2 164.5,116.2 164.5,126.9 157.1,134.3 157.1,137
+5 on L1 "+5_L01_P044" (solid, remove dead copper, pour order 44): 127.9,61.5 127.9,62.7 139,62.7 139,60 121.2,60 121.2,61.5
GND on L1 "GND_L01_P056" (solid, remove dead copper, pour order 56): 164.3,141 199.8,141 199.8,67.1 198.12,67.1 198.1,67.12 198.1,69.8 190.9,69.8 190.9,61.7 187.8,58.6 181.4,58.6 181.4,63.3 168.8,63.3 168.8,71.1 169.7,72 175.8,72 175.8,73.9 166.7,73.9 166.7,67.9 159,67.9 159,67 148.4,67 148.4,79.7 155.4,79.7 155.4,84.7 153,87.1 153,94.4 156.9,94.4 157.8,93.5 164.5,93.5 164.5,91.7 167.9,91.7 167.9,94.1 176.5,102.7 176.5,115.7 177.9,117.1 189,117.1 189,121.3 174.6,121.3 174.6,107.6 166.4,107.6 166.4,126.9 161.6,131.7 161.6,141 164.3,141
GND on L1 "GND_L01_P055" (solid, remove dead copper, pour order 55): 164.3,141 199.8,141
+5 on L1 "+5_L01_P050" (solid, remove dead copper, pour order 50): 131.2,13.4 136.2,13.4 136.2,15.7 131.2,15.7
+5 on L1 "+5_L01_P033" (solid, remove dead copper, pour order 33): 7.3,67.4 20.35,67.4 20.35,77.8 26.4,77.8 26.4,82.9 16.1,82.9 16.1,71 7.3,71
+5 on L1 "+5_L01_P020" (solid, remove dead copper, pour order 20): 77.2,49.8 79.6,49.8 79.6,48.7 80.2,48.1 87.7,48.1 87.7,41.4 82,41.4 82,39.2 84.9,39.2 88.8,39.2 96,39.2 96.1,39.1 96.1,28.6 75.2,28.6 75.2,27.2 72.9,27.2 72.9,27.6 72.9,27.9 72.9,30.7 74.4,30.7 74.4,32.3 75.6,32.3 75.6,30.4 84.7,30.4 84.7,31.5 88.9,31.5 88.9,30.9 94.7,30.9 94.7,33.7 93.6,33.7 93.6,38.2 93.1,38.7 89.8,38.7 87.5,36.4 85,36.4 85,38.5 79.5,38.5 79.5,40.5 81.4,42.4 84.2,42.4 86.5,44.7 86.5,46.5 79.9,46.5 77.9,48.5 77.2,48.5
+4V1_GSM on L1 "+4V1_GSM_L01_P046" (solid, remove dead copper, pour order 46): 102.5,106.6 102.5,108.4 112,108.4 112,95.8 116.5,91.3 119.3,91.3 119.3,88.5 117.2,88.5 108.2,97.5 108.2,106.6
+5 on L1 "+5_L01_P034" (solid, remove dead copper, pour order 34): 84.9,54.1 90.3,54.1 90.3,61.1 93.5,64.3 96.5,64.3 96.5,62.8 93.2,62.8 91.5,61.1 91.5,52.7 90.9,52.1 84.9,52.1
NetC17_1 on L1 "NETC17_1_L01_P043" (solid, remove dead copper, pour order 43): 198.1,69.6 191.1,69.6 191.1,61.6 187.9,58.4 182.8,58.4 182.8,57.3 182.7,57.2 166.3,57.2 166.3,61.1 168.6,63.4 168.6,71.2 169.6,72.2 175.6,72.2 175.6,73.6 166.9,73.6 166.9,63.2 165.9,62.2 160.3,62.2 160.3,55.9 187.9,55.9 194,62 194,67.3 198.1,67.3
+12 on L1 "+12_L01_P042" (solid, remove dead copper, pour order 42): 188.9,117.2 177.7,117.2 176.3,115.8 176.3,102.7 167.7,94.5 167.7,92 164.8,92 164.7,92.1 164.7,93.4 166.7,93.4 166.7,95.9 166.7,107.4 174.8,107.4 174.8,121.1 188.9,121.1
RLY_NO on L1 "RLY_NO_L01_P041" (solid, remove dead copper, pour order 41): 185,129.1 199.4,129.1 199.4,123.2 193.7,123.2 185,123.2
RLY_NC on L1 "RLY_NC_L01_P040" (solid, remove dead copper, pour order 40): 199.4,138.3 199.4,132.4 185.1,132.4 185.1,138.3 189.1,138.3
RLY_COM on L1 "RLY_COM_L01_P039" (solid, remove dead copper, pour order 39): 173.4,129.6 192.6,129.6 199.4,129.6 199.4,132 173.4,132
+5 on L1 "+5_L01_P021" (solid, remove dead copper, pour order 21): 96.1,31.3 103.3,31.3 103.3,34.6 106,34.6 106,35.4 107.9,35.4 107.9,34.6 107.4,34.6 107.4,31.3 104.9,31.3 104.9,26.7 95.4,26.7 93.8,25.1 93.8,21.3 93.8,14.4 88.9,14.4 88.9,28.6
+5 on L1 "+5_L01_P031" (solid, remove dead copper, pour order 31): 3.5,44.6 3.5,49.5 3.6,49.6 6.4,49.6 6.4,44.6
NetC35_1 on L1 "NETC35_1_L01_P038" (solid, remove dead copper, pour order 38): 166.6,42.5 166.6,46.3 185.4,46.3 185.4,41.5 178.3,41.5 178.3,44.6 169.7,44.6 169.7,42.5
NetC34_1 on L1 "NETC34_1_L01_P037" (solid, remove dead copper, pour order 37): 185.547,31.725 183.675,31.725 180.7,34.7 178.3,34.7 178.3,40.4 185.547,40.4
+5 on L1 "+5_L01_P036" (solid, remove dead copper, pour order 36): 65.2,77.8 65.2,85.8 67.3,85.8 71.3,85.8 71.3,96.6 95.2,96.6 95.2,93.3 92.5,93.3 92.5,91.4 92.5,83.1 88.9,83.1 88.9,93.3 88.3,93.3 87.6,93.3 83,93.3 83,83.1 80,83.1 80,93.3 74.3,93.3 74.3,83.1 70,83.1 70,77.8
+5 on L1 "+5_L01_P035" (solid, remove dead copper, pour order 35): 94.3,74.7 94.3,72.1 89.1,72.1 89.1,74.7
+5 on L1 "+5_L01_P032" (solid, remove dead copper, pour order 32): 152.2,63 157.1,63 157.1,46.3 165.9,46.3 165.9,42.5 150.109,42.5 150.109,59.1 152.2,59.1
+5 on L1 "+5_L01_P028" (solid, remove dead copper, pour order 28): 159.2,67.7 159.2,66.9 146.8,66.9 146.8,68.3 144,68.3 144,65.5 144,62.1 147.4,62.1 148.4,62.9 148.6,63 165.9,63 165.9,67.7
+5 on L1 "+5_L01_P027" (solid, remove dead copper, pour order 27): 100.8,51.1 99.7,50 99.7,46.2 105,46.2 104.9,46.3 104.9,51.1
+5 on L1 "+5_L01_P026" (solid, remove dead copper, pour order 26): 181.1,63 168.9,63 167.1,61.2 167.1,57.8 181.1,57.8
+5 on L1 "+5_L01_P025" (solid, remove dead copper, pour order 25): 107.4,15.4 111.6,15.4 111.6,7 114.3,4.3 127.2,4.3 131.2,8.3 131.2,10.1 145.7,10.1 145.7,17.1 152.3,17.1 152.3,13.7 152.3,0.7 109.8,0.7 109.8,11.5 107.4,11.5
+5 on L1 "+5_L01_P022" (solid, remove dead copper, pour order 22): 98.7,33.8

## Silkscreen, mask and mechanical layers (free items; w line width, h text height)
Top Overlay:
  drawing of 64 lines, arcs and shapes, not listed
  text "LED ARRAY" at 119.05,138.024 h1.4
  text "USER BUTTONS" at 75.616,96.139 h1.4
  text "TK2560" at 49.53,85.115 h2.79
  text "Training Kit" at 49.657,81.483 h1.91
  text "POWER" at 181.112,77.737 h1.4
  text "ATMega2560" at 120.241,68.268 h1.4
  text "MCU" at 122.334,65.997 h1.4
  text "PF0" at 9.703,63.068 h0.97
  text "PF1" at 9.703,60.477 h0.97
  text "GND" at 0.991,59.233 h0.97
  text "PF2" at 9.703,57.963 h0.97
  text "PF3" at 9.703,55.372 h0.97
  text "3V3" at 0.991,53.01 h0.97
  text "PF4" at 9.703,52.68 h0.97
  text "3V3" at 0.991,50.419 h0.97
  text "PF5" at 9.703,50.216 h0.97
  text "5V" at 0.991,47.854 h0.97
  text "PF6" at 9.703,47.676 h0.97
  text "5V" at 0.991,45.288 h0.97
  text "PF7" at 9.703,45.187 h0.97
  text "+5V PWR" at 162.852,41.123 h1.02
  text "PL0" at 9.703,39.802 h0.97
  text "PH0" at 0.991,39.624 h0.97
  text "PL1" at 9.703,37.211 h0.97
  text "PH1" at 0.991,37.033 h0.97
  text "PL2" at 9.703,34.696 h0.97
  text "PH2" at 0.991,34.519 h0.97
  text "RTC" at 70.335,32.332 h1.4 r90
  text "PL3" at 9.703,32.106 h0.97
  text "PH3" at 0.991,31.928 h0.97
  text "PL4" at 9.703,29.413 h0.97
  text "PH4" at 0.991,29.235 h0.97
  text "PL5" at 9.703,26.949 h0.97
  text "PH5" at 0.991,26.772 h0.97
  text "PL6" at 9.703,24.409 h0.97
  text "PH6" at 0.991,24.232 h0.97
  text "PL7" at 9.703,21.92 h0.97
  text "PH7" at 0.991,21.742 h0.97
  text "TK2560" at 175.666,18.491 h3.05
  text "Training Kit" at 171.475,14.673 h2.03
  text "Version 1.0" at 186.184,12.213 h2.03
  text "2021" at 189,10.761 h1.65
  text "Designed By:" at 159.69,9.471 h2.03
Mechanical Drawing:
  circle w1.016: c194.31,76.96 r2.108
  circle w1.016: c194.31,5.725 r2.108
  circle w1.016: c6.35,5.725 r2.108
  circle w1.016: c5.4,135.2 r2.108
  lines w1.016: 0.2,-0.05 0.2,141.4 200.2,141.4 200.2,-0.05 0.2,-0.05
  text "Mechanical Drawing TK2560" at 47.793,173.538 h5.08
  text "Version = '.VersionRevision'" at 75.047,163.083 h3.81
  text "Units: mils" at 228.362,28.762 h3.81
  text "Scale: 1:1" at 227.462,20.062 h3.81
Board Outline:
  lines w0.4: 0,-0.1 0,1.4 0,141.5 0.9,141.5 200,141.5 200,-0.1 198.8,-0.1 0,-0.1
ASM TOP:
  text "Assembly Top TK2560" at 55.829,155.16 h5.08
  text "Version = '.VersionRevision'" at 83.083,144.704 h3.81
Mechanical 15:
  the board outline again, w0.4

## Dimensions
6.3,5.7 to 0.2,-0.05 on Mechanical Drawing
194.31,79.068 to 200.2,141.4 on Mechanical Drawing
200.2,141.4 to 200.2,-0.05 on Mechanical Drawing
0.2,-0.05 to 200.2,-0.05 on Mechanical Drawing
0.2,141.4 to 5.4,135.3 on Mechanical Drawing

## Text inside footprints (layer, text, board x,y; h text height)
ESP1: Top Overlay "ESP-01" at 155.8,114.34 h2.2 r270
GPIO: Top Overlay "1" at 4.757,65.819 h0.8
"ISP HEADER": Top Overlay "1" at 134.627,10.127 h0.51
J3: Top Overlay "1" at 176.727,88.127 h0.51
J6: Top Overlay "1" at 163.071,43.546 h0.51
J12: Mechanical 15 "1" at 7.849,19.634 h0.8
J13: Top Overlay "1" at 10.287,75.362 h0.51
JDVCC: Top Overlay "1" at 158.829,133.771 h0.51
"LCD DISPLAY 1602": Top Overlay "1" at 19.837,130.835 h1.02
SIM800L: Top Overlay "NET" at 109.633,109.403 h0.76; Top Overlay "VCC" at 109.733,106.703 h0.76; Top Overlay "RST" at 109.733,104.203 h0.76; Top Overlay "RST" at 109.833,101.803 h0.76; Top Overlay "TXD" at 109.733,99.103 h0.76; Top Overlay "GND" at 109.803,96.603 h0.76; Top Overlay "RING" at 123.733,106.703 h0.76; Top Overlay "DTR" at 124.333,104.003 h0.76; Top Overlay "MCP" at 124.333,101.503 h0.76; Top Overlay "MCN" at 124.233,99.203 h0.76; Top Overlay "SPK+" at 123.533,96.603 h0.76; Top Overlay "SPK-" at 123.533,94.103 h0.76